# Altium PCB PDU-UV17.PcbDoc (part 2 of 2)
Units mm, origin at the board's own origin, x right, y up, seen from the top; angles counter-clockwise.
Board outline 130 x 100 mm, 4 copper layers (Top Layer, Internal Plane 1, Signal Layer 1, Bottom Layer), stack 1.7 mm thick; 126 components, 183 nets, 933 pads, 1005 vias.
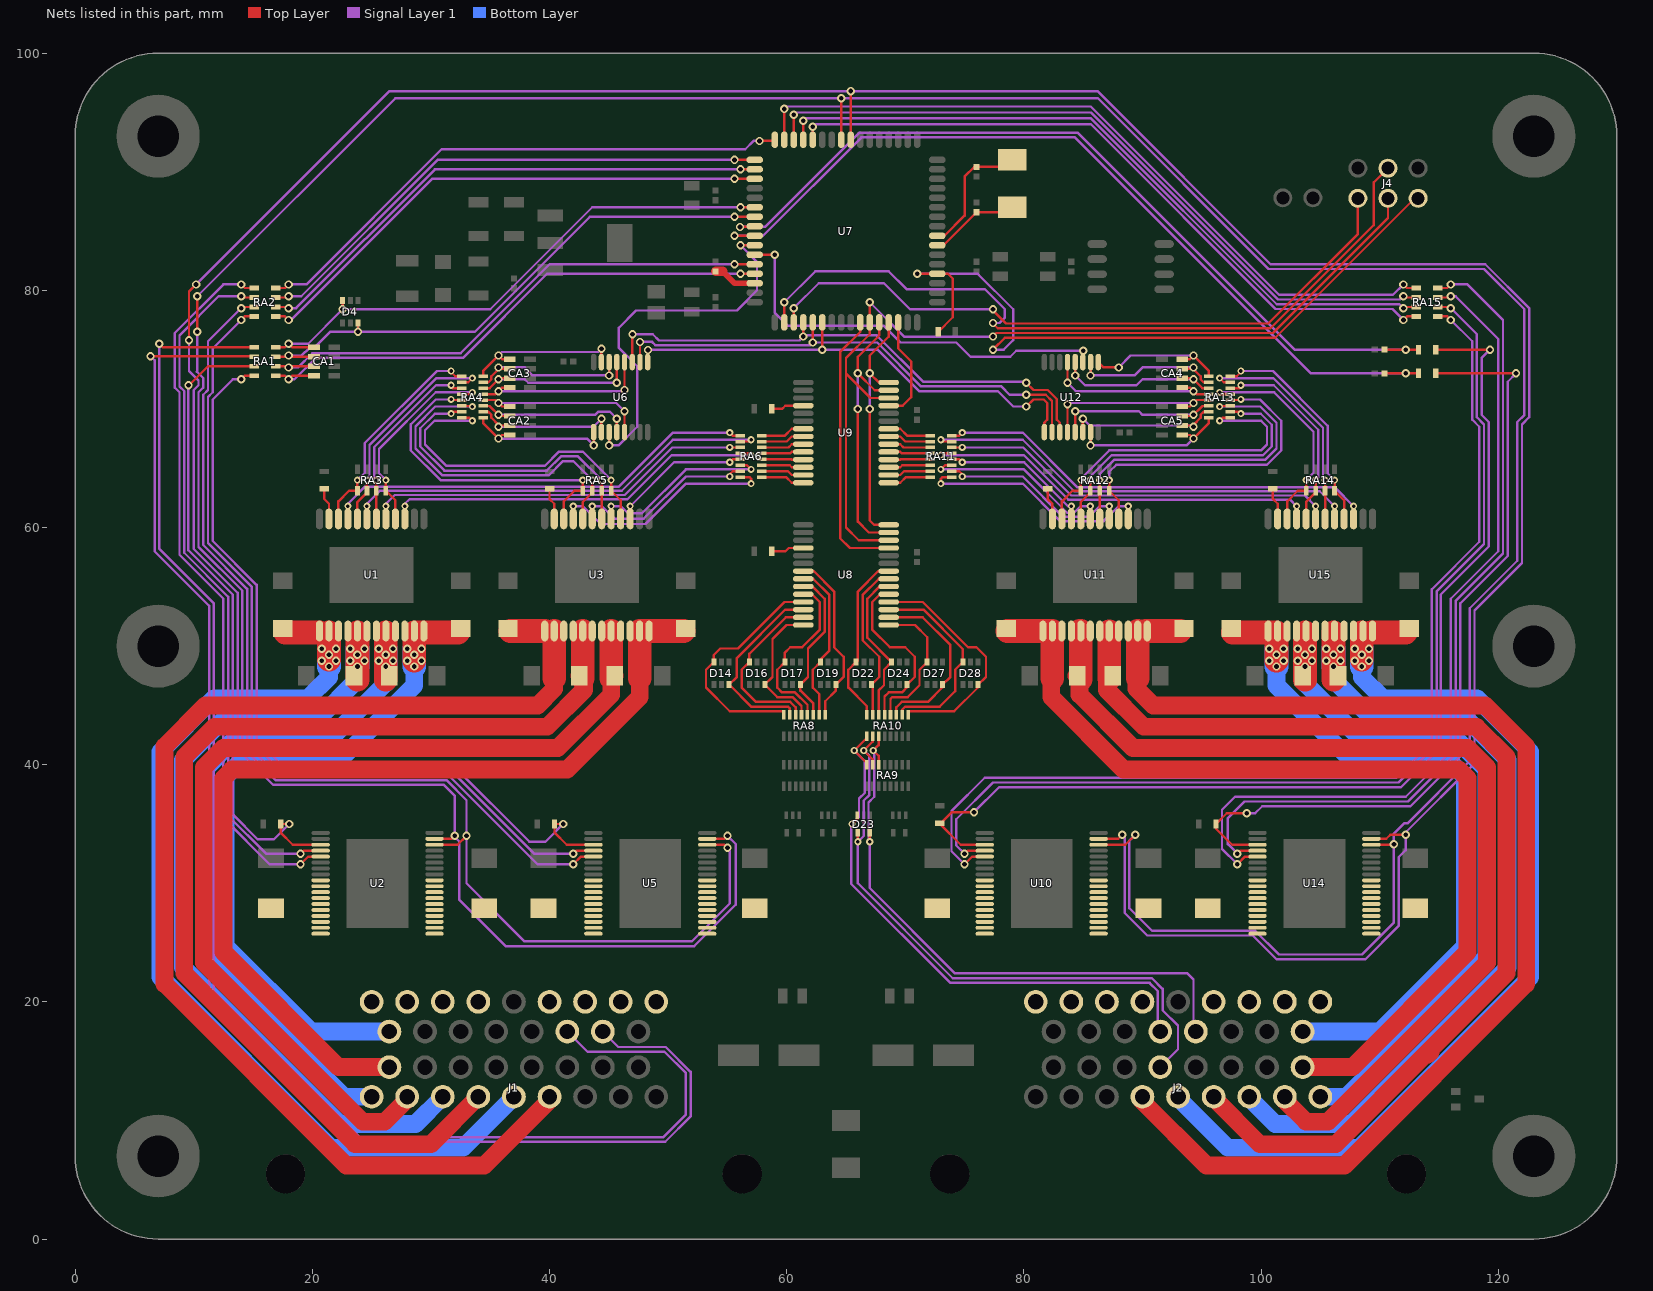
[diagram p4: the nets of this part, all layers, seen from the top]

## Via types
v1: diameter 0.8, hole 0.5, Top Layer to Bottom Layer, tented both sides, 400 vias
v2: diameter 0.7, hole 0.4, Top Layer to Bottom Layer, tented both sides, 313 vias
v3: diameter 0.6, hole 0.3, Top Layer to Bottom Layer, tented both sides, 196 vias
v4: diameter 0.6, hole 0.3, Top Layer to Bottom Layer, 96 vias

## Nets (pads, with @x,y where several pads share a name; then routed paths per layer and width w, separated by ;. In a path a pad name is that pad's centre, name@x,y a point inside that pad or via, vN(x,y) a via of type N, cw(c..) or ccw(c..) an arc to the next point about the centre after c; other vN are vias at no path point) (continued)
IN_14: D23.5 J2.14 RA9.6 RA10.11 | length 50.5
  Top Layer w0.2: v3(67,33.5) D23.5@67,34.25 ; RA9.6@67.75,40 67.75,40.75 v3(67.3,41.2) 67.75,41.65 RA10.11@67.75,42.4
  Signal Layer 1 w0.2: v3(67.3,41.2) 67.376,41.124 67.376,37.293 66.898,36.815 v3@66.898,33.602 ; J2.14@94.5,17.5 94.3,17.7 94.3,21.9 93.8,22.4 74.2,22.4 67,29.6 v3(67,33.5) ; v3@66.898,33.602 v3(67,33.5) ; v3@66.898,33.602 v3(67,33.5)
IN_15: D23.4 J2.21 RA9.7 RA10.10 | length 52.9
  Top Layer w0.2: v3(66,33.5) D23.4@66,34.25 ; RA9.7@67.25,40 67.25,40.45 v3(66.5,41.2) 67.25,41.95 RA10.10@67.25,42.4
  Signal Layer 1 w0.2: v3@66.102,33.602 v3(66,33.5) ; v3(66.5,41.2) 66.976,40.724 66.976,37.459 66.498,36.981 66.498,33.998 v3(66,33.5) ; J2.21@91.5,14.5 93,16 93,18 91.7,19.3 91.7,21.1 90.8,22 74,22 66,30 v3(66,33.5)
IN_16: D23.3 J2.13 RA9.8 RA10.9 | length 49.5
  Top Layer w0.2: v3(65.5,35) 65.95,35.45 D23.3@65.95,35.75 ; RA9.8@66.75,40 66.75,40.15 v3(65.7,41.2) 66.75,42.25 RA10.9@66.75,42.4
  Signal Layer 1 w0.2: v3@65.4,35.1 v3(65.5,35) ; v3(65.7,41.2) 66.576,40.324 66.576,37.624 66.098,37.146 66.098,35.598 v3(65.5,35) ; J2.13@91.5,17.5 91.3,17.7 91.3,20.9 90.6,21.6 73.8,21.6 65.448,29.952 65.448,34.948 v3(65.5,35)
IN_A_1: J1.15 RA1.5 | length 125.3
  Top Layer w0.2: v2(7.1,75.5) 7.402,75.198 15.098,75.198 RA1.5@15.1,75.2
  Signal Layer 1 w0.2: v2(7.1,75.5) 7.1,58.2 11.7,53.6 11.7,20.9 24,8.6 49.6,8.6 51.5,10.5 51.5,14 49.7,15.8 43.2,15.8 J1.15@41.5,17.5
IN_A_2: J1.16 RA1.6 | length 123.8
  Top Layer w0.2: v2(6.35,74.45) 15.05,74.45 RA1.6@15.1,74.4
  Signal Layer 1 w0.2: v2(6.35,74.45) 6.7,74.1 6.7,58 11.3,53.4 11.3,20.734 23.834,8.2 49.766,8.2 51.9,10.334 51.9,14.098 49.798,16.2 45.8,16.2 J1.16@44.5,17.5
IN_A_R_1: CA1.5 D4.3 RA1.4 U7.54 | length 48.4
  Top Layer w0.2: RA1.4@16.9,75.2 17.7,75.2 v2(18,75.5) 18.3,75.2 CA1.5@20.15,75.2 ; D4.3@22.5,79.1 D4.3@22.55,79.15 v2(22.55,78.4) ; v2(56.1,87) U7.54@57.3,87
  Signal Layer 1 w0.2: v2(18,75.5) 19.65,75.5 v2(22.55,78.4) 35,78.4 43.6,87 v2(56.1,87)
IN_A_R_2: CA1.6 D4.6 RA1.3 U7.55 | length 48.2
  Top Layer w0.2: RA1.3@16.9,74.4 17.9,74.4 v2(18,74.5) 18.1,74.4 CA1.6@20.15,74.4 ; v2(23.85,76.5) D4.6@23.85,77.25 ; v2(55.6,86.2) U7.55@57.3,86.2
  Signal Layer 1 w0.2: v2(18,74.5) 19.1,74.5 19.748,75.148 20.148,75.148 21.5,76.5 v2(23.85,76.5) 33.7,76.5 43.4,86.2 v2(55.6,86.2)
IN_R_1: D19.6 RA8.1 U8.21 | length 14.7
  Top Layer w0.2: U8.21@61.4,56.325 62.275,56.325 64,54.6 64,49.9 64.8,49.1 64.8,47.4 D19.6@64.15,46.75 64.15,46.25 63.25,45.35 RA8.1@63.25,44.2
IN_R_2: D19.3 RA8.2 U8.22 | length 13.7
  Top Layer w0.2: U8.22@61.4,55.675 62.225,55.675 63.6,54.3 63.6,49.616 62.85,48.866 D19.3@62.85,48.65 62.2,48 62.2,46.5 62.75,45.95 RA8.2@62.75,44.2
IN_R_3: D17.6 RA8.3 U8.23 | length 13.3
  Top Layer w0.2: U8.23@61.4,55.025 62.175,55.025 63.2,54 63.2,51.2 61.8,49.8 61.8,47.4 D17.6@61.15,46.75 61.15,46.25 62.25,45.15 RA8.3@62.25,44.2
IN_R_4: D17.3 RA8.4 U8.24 | length 15
  Top Layer w0.2: U8.24@61.4,54.375 62.125,54.375 62.8,53.7 62.8,51.4 61.3,49.9 60.3,49.9 59.85,49.45 D17.3@59.85,48.65 59.2,48 59.2,46.5 59.6,46.1 60.7,46.1 61.75,45.05 RA8.4@61.75,44.2
IN_R_5: D16.6 RA8.5 U8.28 | length 11.8
  Top Layer w0.2: RA8.5@61.25,44.2 61.25,44.95 60.5,45.7 59.2,45.7 D16.6@58.15,46.75 58.8,47.4 58.8,50.6 59.975,51.775 U8.28@61.4,51.775
IN_R_6: D16.3 RA8.6 U8.27 | length 14.8
  Top Layer w0.2: RA8.6@60.75,44.2 60.75,44.85 60.3,45.3 57.4,45.3 56.2,46.5 56.2,48 D16.3@56.85,48.65 56.85,49.35 59.925,52.425 U8.27@61.4,52.425
IN_R_7: D14.6 RA8.7 U8.26 | length 16.3
  Top Layer w0.2: RA8.7@60.25,44.2 60.25,44.75 60.1,44.9 57,44.9 D14.6@55.15,46.75 55.8,47.4 55.8,49 59.875,53.075 U8.26@61.4,53.075
IN_R_8: D14.3 RA8.8 U8.25 | length 20
  Top Layer w0.2: RA8.8@59.75,44.2 59.75,44.35 59.6,44.5 55.2,44.5 53.2,46.5 53.2,48 D14.3@53.85,48.65 53.85,49.25 54.4,49.8 55.9,49.8 59.825,53.725 U8.25@61.4,53.725
IN_R_9: D28.6 RA10.1 U8.4 | length 19.9
  Top Layer w0.2: U8.4@68.6,53.725 71.475,53.725 75.3,49.9 76,49.9 76.8,49.1 76.8,47.4 D28.6@76.15,46.75 76.15,46.534 74.116,44.5 70.4,44.5 70.25,44.35 RA10.1@70.25,44.2
IN_R_10: D28.3 RA10.2 U8.3 | length 17
  Top Layer w0.2: U8.3@68.6,53.075 71.525,53.075 74.85,49.75 D28.3@74.85,48.65 74.2,48 74.2,46.2 72.9,44.9 70,44.9 69.75,44.65 RA10.2@69.75,44.2
IN_R_11: D27.6 RA10.3 U8.2 | length 15.2
  Top Layer w0.2: U8.2@68.6,52.425 71.475,52.425 73.8,50.1 73.8,47.4 D27.6@73.15,46.75 73.15,46.534 71.916,45.3 69.7,45.3 69.25,44.85 RA10.3@69.25,44.2
IN_R_12: D27.3 RA10.4 U8.1 | length 12.3
  Top Layer w0.2: U8.1@68.6,51.775 70.825,51.775 71.85,50.75 D27.3@71.85,48.65 71.2,48 71.2,46.7 70.2,45.7 68.9,45.7 68.75,45.55 RA10.4@68.75,44.2
IN_R_13: D24.6 RA10.5 U8.5 | length 15.1
  Top Layer w0.2: RA10.5@68.25,44.2 68.25,45.75 68.6,46.1 69.716,46.1 70.15,46.534 D24.6@70.15,46.75 70.8,47.4 70.8,49.1 70,49.9 68.7,49.9 67.2,51.4 67.2,53.7 67.875,54.375 U8.5@68.6,54.375
IN_R_14: D24.3 RA10.6 U8.6 | length 13.3
  Top Layer w0.2: RA10.6@67.75,44.2 67.75,46.25 68.2,46.7 68.2,48 D24.3@68.85,48.65 66.8,50.7 66.8,54 67.825,55.025 U8.6@68.6,55.025
IN_R_15: D22.6 RA10.7 U8.7 | length 13.8
  Top Layer w0.2: RA10.7@67.25,44.2 67.25,46.65 D22.6@67.15,46.75 67.8,47.4 67.8,49.1 66.4,50.5 66.4,54.3 67.775,55.675 U8.7@68.6,55.675
IN_R_16: D22.3 RA10.8 U8.8 | length 14.7
  Top Layer w0.2: RA10.8@66.75,44.2 66.75,44.95 65.2,46.5 65.2,48 D22.3@65.85,48.65 66,48.8 66,54.6 67.725,56.325 U8.8@68.6,56.325
IS_5A_1: RA3.5 RA4.1 U1.10 | length 18.7
  Top Layer w0.2: U1.10@22.2,60.725 22.2,62.2 23.1,63.1 RA3.5@23.8,63.1 v3(23.8,64) ; v3(31.7,73.2) 31.7,73.1 32.05,72.75 RA4.1@32.6,72.75
  Signal Layer 1 w0.2: v3(23.8,64) 24.424,64.624 24.424,67.121 30.503,73.2 v3(31.7,73.2)
IS_5A_2: RA3.6 RA4.2 U1.8 | length 18.7
  Top Layer w0.2: U1.8@23.8,60.725 23.8,62.143 24.6,62.943 RA3.6@24.6,63.1 v3(24.6,64) ; RA4.2@32.6,72.25 33.15,72.25 v3(33.5,72.6)
  Signal Layer 1 w0.2: v3(24.6,64) 24.824,64.224 24.824,66.955 30.469,72.6 v3(33.5,72.6)
IS_5A_3: RA3.7 RA4.3 U1.6 | length 15.8
  Top Layer w0.2: U1.6@25.4,60.725 RA3.7@25.4,63.1 v3(25.4,64) ; v3(31.7,72) 31.7,71.9 31.85,71.75 RA4.3@32.6,71.75
  Signal Layer 1 w0.2: v3(25.4,64) 25.224,64.176 25.224,66.79 30.434,72 v3(31.7,72)
IS_5A_4: RA3.8 RA4.4 U1.4 | length 17.3
  Top Layer w0.2: v3(26.2,64) RA3.8@26.2,63.1 27,62.3 U1.4@27,60.725 ; RA4.4@32.6,71.25 33.35,71.25 v3(33.5,71.4)
  Signal Layer 1 w0.2: v3(26.2,64) 25.624,64.576 25.624,66.624 30.4,71.4 v3(33.5,71.4)
IS_5A_5: RA4.5 RA5.5 U3.10 | length 27.3
  Top Layer w0.2: v3(31.7,70.8) 31.75,70.75 RA4.5@32.6,70.75 ; U3.10@41.2,60.725 41.2,62.2 42.1,63.1 RA5.5@42.8,63.1 v3(42.8,64)
  Signal Layer 1 w0.2: v3(31.7,70.8) 30.403,70.8 28.3,68.697 28.3,66.503 30.803,64 v3(42.8,64)
IS_5A_6: RA4.6 RA5.6 U3.8 | length 28.9
  Top Layer w0.2: RA4.6@32.6,70.25 33.45,70.25 v3(33.5,70.2) ; U3.8@42.8,60.725 42.8,62.143 43.6,62.943 v3(43.6,64)
  Signal Layer 1 w0.2: v3(33.5,70.2) 30.369,70.2 28.7,68.531 28.7,66.669 30.969,64.4 39.931,64.4 41.131,65.6 42,65.6 v3(43.6,64)
IS_5A_7: RA4.7 RA5.7 U3.6 | length 26.3
  Top Layer w0.2: v3(31.7,69.6) 31.85,69.75 RA4.7@32.6,69.75 ; U3.6@44.4,60.725 RA5.7@44.4,63.1 v3(44.4,64)
  Signal Layer 1 w0.2: v3(31.7,69.6) 30.334,69.6 29.1,68.366 29.1,66.834 31.134,64.8 39.766,64.8 40.966,66 42.4,66 v3(44.4,64)
IS_5A_8: RA4.8 RA5.8 U3.4 | length 28.1
  Top Layer w0.2: RA4.8@32.6,69.25 33.25,69.25 v3(33.5,69) ; v3(45.2,64) RA5.8@45.2,63.1 46,62.3 U3.4@46,60.725
  Signal Layer 1 w0.2: v3(33.5,69) 30.3,69 29.5,68.2 29.5,67 31.3,65.2 39.6,65.2 40.8,66.4 42.8,66.4 v3(45.2,64)
IS_5A_9: RA12.5 RA13.1 U11.10 | length 28.1
  Top Layer w0.2: U11.10@83.2,60.725 83.2,62.2 84.1,63.1 RA12.5@84.8,63.1 v3(84.8,64) ; v3(96.5,69) 96.75,69.25 RA13.1@97.4,69.25
  Signal Layer 1 w0.2: v3(84.8,64) 84.8,64.1 87.2,66.5 100,66.5 100.5,67 100.5,68.5 100,69 v3(96.5,69)
IS_5A_10: RA12.6 RA13.2 U11.8 | length 26
  Top Layer w0.2: U11.8@84.8,60.725 84.8,62.143 85.6,62.943 v3(85.6,64) ; RA13.2@97.4,69.75 98.15,69.75 v3(98.3,69.6)
  Signal Layer 1 w0.2: v3(85.6,64) 85.6,64.302 87.398,66.1 100.166,66.1 100.9,66.834 100.9,68.666 99.966,69.6 v3(98.3,69.6)
IS_5A_11: RA12.7 RA13.3 U11.6 | length 28
  Top Layer w0.2: U11.6@86.4,60.725 RA12.7@86.4,63.1 v3(86.4,64) ; v3(96.5,70.2) 96.55,70.25 RA13.3@97.4,70.25
  Signal Layer 1 w0.2: v3(86.4,64) 86.4,64.5 87.6,65.7 100.331,65.7 101.3,66.669 101.3,68.831 99.931,70.2 v3(96.5,70.2)
IS_5A_12: RA12.8 RA13.4 U11.4 | length 27.1
  Top Layer w0.2: v3(87.2,64) RA12.8@87.2,63.1 88,62.3 U11.4@88,60.725 ; RA13.4@97.4,70.75 98.25,70.75 v3(98.3,70.8)
  Signal Layer 1 w0.2: v3(87.2,64) 87.2,64.7 87.8,65.3 100.497,65.3 101.7,66.503 101.7,68.997 99.897,70.8 v3(98.3,70.8)
IS_5A_13: RA13.5 RA14.5 U15.10 | length 18.9
  Top Layer w0.2: v3(96.5,71.4) 96.65,71.25 RA13.5@97.4,71.25 ; U15.10@102.2,60.725 102.2,62.2 103.1,63.1 RA14.5@103.8,63.1 v3(103.8,64)
  Signal Layer 1 w0.2: v3(96.5,71.4) 101.1,71.4 104.424,68.076 104.424,64.624 v3(103.8,64)
IS_5A_14: RA13.6 RA14.6 U15.8 | length 17.1
  Top Layer w0.2: RA13.6@97.4,71.75 98.15,71.75 98.3,71.9 v3(98.3,72) ; U15.8@103.8,60.725 103.8,62.143 104.6,62.943 v3(104.6,64)
  Signal Layer 1 w0.2: v3(98.3,72) 101.066,72 104.824,68.242 104.824,64.224 v3(104.6,64)
IS_5A_15: RA13.7 RA14.7 U15.6 | length 19.3
  Top Layer w0.2: v3(96.5,72.6) 96.85,72.25 RA13.7@97.4,72.25 ; U15.6@105.4,60.725 RA14.7@105.4,63.1 v3(105.4,64)
  Signal Layer 1 w0.2: v3(96.5,72.6) 101.031,72.6 105.224,68.407 105.224,64.176 v3(105.4,64)
IS_5A_16: RA13.8 RA14.8 U15.4 | length 18.8
  Top Layer w0.2: RA13.8@97.4,72.75 97.95,72.75 98.3,73.1 v3(98.3,73.2) ; v3(106.2,64) RA14.8@106.2,63.1 107,62.3 U15.4@107,60.725
  Signal Layer 1 w0.2: v3(98.3,73.2) 100.997,73.2 105.624,68.573 105.624,64.576 v3(106.2,64)
IS_5A_MUX1: U6.3 U7.58 | length 31.7
  Top Layer w0.2: v2(45.025,66.925) U6.3@45.025,68.05 ; v2(56.1,83.8) U7.58@57.3,83.8
  Signal Layer 1 w0.2: v2(45.025,66.925) 45.825,66.925 47.4,68.5 47.4,73.6 45.85,75.15 45.85,76.85 47.3,78.3 55.8,78.3 57.5,80 57.5,82.4 v2(56.1,83.8)
IS_5A_MUX2: U7.59 U12.3 | length 34.4
  Top Layer w0.2: U7.59@57.3,83 57.4,82.9 57.5,83 v2(59,83)
  Signal Layer 1 w0.2: v2(59,83) 59,78.1 60.1,77 68.2,77 69.6,75.6 74.3,75.6 75.502,74.398 78.848,74.398 79.35,74.9 v2(85,74.9)
IS_5A_R_1: CA3.5 RA4.16 U6.15 | length 13.4
  Top Layer w0.2: RA4.16@34.4,72.75 34.4,73.2 v2(35.7,74.5) 36,74.2 CA3.5@36.65,74.2 ; U6.15@44.375,73.95 v2(44.375,75.075)
  Signal Layer 1 w0.2: v2(35.7,74.5) 36,74.8 44.1,74.8 v2(44.375,75.075)
IS_5A_R_2: CA3.6 RA4.15 U6.14 | length 13.8
  Top Layer w0.2: RA4.15@34.4,72.25 34.85,72.25 35.098,72.498 35.098,72.749 35.7,73.351 v2(35.7,73.5) 35.8,73.4 CA3.6@36.65,73.4 ; v2(45.025,72.825) U6.14@45.025,73.95
  Signal Layer 1 w0.2: v2(35.7,73.5) 37.9,73.5 38.575,72.825 v2(45.025,72.825)
IS_5A_R_3: CA3.7 RA4.14 U6.13 | length 14.5
  Top Layer w0.2: RA4.14@34.4,71.75 34.95,71.75 v2(35.7,72.5) 35.8,72.6 CA3.7@36.65,72.6 ; v2(45.675,72.2) U6.13@45.675,73.95
  Signal Layer 1 w0.2: v2(35.7,72.5) 37.9,72.5 38.2,72.2 v2(45.675,72.2)
IS_5A_R_4: CA3.8 RA4.13 U6.12 | length 15.5
  Top Layer w0.2: RA4.13@34.4,71.25 35.45,71.25 v2(35.7,71.5) 36,71.8 CA3.8@36.65,71.8 ; v2(46.325,71.6) U6.12@46.325,73.95
  Signal Layer 1 w0.2: v2(35.7,71.5) 46.225,71.5 v2(46.325,71.6)
IS_5A_R_5: CA2.5 RA4.12 U6.5 | length 15.1
  Top Layer w0.2: RA4.12@34.4,70.75 35.45,70.75 v2(35.7,70.5) 36,70.2 CA2.5@36.65,70.2 ; U6.5@46.325,68.05 v2(46.325,69.8)
  Signal Layer 1 w0.2: v2(35.7,70.5) 45.625,70.5 v2(46.325,69.8)
IS_5A_R_6: CA2.6 RA4.11 U6.4 | length 14.2
  Top Layer w0.2: RA4.11@34.4,70.25 34.95,70.25 v2@35.8,69.4 ; v2(35.7,69.5) v2@35.8,69.4 ; CA2.6@36.65,69.4 v2@35.8,69.4 ; U6.4@45.675,68.05 v2(45.675,69.175)
  Signal Layer 1 w0.2: v2(35.7,69.5) 43.849,69.5 44.126,69.777 45.073,69.777 v2(45.675,69.175)
IS_5A_R_7: CA2.7 RA4.10 U6.2 | length 13.3
  Top Layer w0.2: RA4.10@34.4,69.75 34.85,69.75 35.098,69.502 35.098,69.251 35.7,68.649 v2(35.7,68.5) ; CA2.7@36.65,68.6 v2@35.8,68.6 ; U6.2@44.375,68.05 v2(44.375,69.175) ; v2(35.7,68.5) v2@35.8,68.6 ; v2(35.7,68.5) v2@35.8,68.6
  Signal Layer 1 w0.2: v2(35.7,68.5) 43.7,68.5 v2(44.375,69.175)
IS_5A_R_8: CA2.8 RA4.9 U6.1 | length 12.8
  Top Layer w0.2: RA4.9@34.4,69.25 34.4,68.8 v2(35.7,67.5) 36,67.8 CA2.8@36.65,67.8 ; v2(43.725,66.925) U6.1@43.725,68.05
  Signal Layer 1 w0.2: v2(35.7,67.5) 43.15,67.5 v2(43.725,66.925)
IS_5A_R_9: CA5.1 RA13.16 U12.15 | length 13.4
  Top Layer w0.2: v2(85.625,66.925) U12.15@85.625,68.05 ; CA5.1@93.35,67.8 94,67.8 v2(94.3,67.5) 95.6,68.8 RA13.16@95.6,69.25
  Signal Layer 1 w0.2: v2(85.625,66.925) 93.725,66.925 v2(94.3,67.5)
IS_5A_R_10: CA5.2 RA13.15 U12.14 | length 13.9
  Top Layer w0.2: U12.14@84.975,68.05 v2(84.975,69.175) ; CA5.2@93.35,68.6 v2@94.2,68.6 ; RA13.15@95.6,69.75 95.15,69.75 94.902,69.502 94.902,69.251 94.3,68.649 v2(94.3,68.5) ; v2@94.2,68.6 v2(94.3,68.5) ; v2@94.2,68.6 v2(94.3,68.5)
  Signal Layer 1 w0.2: v2(84.975,69.175) 85.548,68.602 94.198,68.602 v2(94.3,68.5)
IS_5A_R_11: CA5.3 RA13.14 U12.13 | length 14.6
  Top Layer w0.2: U12.13@84.325,68.05 v2(84.325,69.8) ; CA5.3@93.35,69.4 v2@94.2,69.4 ; v2(94.3,69.5) v2@94.2,69.4 ; RA13.14@95.6,70.25 95.05,70.25 v2@94.2,69.4
  Signal Layer 1 w0.2: v2(84.325,69.8) 89.7,69.8 90,69.5 v2(94.3,69.5)
IS_5A_R_12: CA5.4 RA13.13 U12.12 | length 15.5
  Top Layer w0.2: U12.12@83.675,68.05 v2(83.675,70.4) ; CA5.4@93.35,70.2 94,70.2 v2(94.3,70.5) 94.55,70.75 RA13.13@95.6,70.75
  Signal Layer 1 w0.2: v2(83.675,70.4) 83.775,70.5 v2(94.3,70.5)
IS_5A_R_13: CA4.5 RA13.12 U12.5 | length 15.1
  Top Layer w0.2: v2(83.675,72.2) U12.5@83.675,73.95 ; CA4.5@93.35,71.8 94,71.8 v2(94.3,71.5) 94.55,71.25 RA13.12@95.6,71.25
  Signal Layer 1 w0.2: v2(83.675,72.2) 84.375,71.5 v2(94.3,71.5)
IS_5A_R_14: CA4.6 RA13.11 U12.4 | length 14.3
  Top Layer w0.2: v2(84.325,72.825) U12.4@84.325,73.95 ; CA4.6@93.35,72.6 94.2,72.6 v2(94.3,72.5) 95.05,71.75 RA13.11@95.6,71.75
  Signal Layer 1 w0.2: v2(84.325,72.825) 85.15,72 89.5,72 90,72.5 v2(94.3,72.5)
IS_5A_R_15: CA4.7 RA13.10 U12.2 | length 13.1
  Top Layer w0.2: v2(85.625,72.825) U12.2@85.625,73.95 ; CA4.7@93.35,73.4 94.2,73.4 v2(94.3,73.5) 94.3,73.351 94.902,72.749 94.902,72.498 95.15,72.25 RA13.10@95.6,72.25
  Signal Layer 1 w0.2: v2(85.625,72.825) 89.325,72.825 90,73.5 v2(94.3,73.5)
IS_5A_R_16: CA4.8 RA13.9 U12.1 | length 12
  Top Layer w0.2: U12.1@86.275,73.95 86.725,73.5 v2(88,73.5) ; CA4.8@93.35,74.2 94,74.2 v2(94.3,74.5) 95.6,73.2 RA13.9@95.6,72.75
  Signal Layer 1 w0.2: v2(88,73.5) 89,74.5 v2(94.3,74.5)
IS_20A_12: R1.2 RA1.7 U2.21 | length 55.4
  Top Layer w0.2: v2(9.552,72.003) 9.603,72.003 11.2,73.6 RA1.7@15.1,73.6 ; v2(18.05,35) R1.2@17.325,35 17.325,34.275 18.35,33.25 U2.21@20.7,33.25
  Signal Layer 1 w0.2: v2(9.552,72.003) 9.552,58.08 13.3,54.331 13.3,35.8 15.4,33.7 16.75,33.7 v2(18.05,35)
IS_20A_34: R3.2 RA1.8 U5.21 | length 69.7
  Top Layer w0.2: v2(14,72.5) 14.3,72.8 RA1.8@15.1,72.8 ; v2(41.15,35) R3.2@40.425,35 40.425,34.275 41.45,33.25 U5.21@43.7,33.25
  Signal Layer 1 w0.2: v2(14,72.5) 13.3,72.5 11.6,70.8 11.6,58.86 15.3,55.16 15.3,42.1 17.5,39.9 31.9,39.9 38.3,33.5 39.65,33.5 v2(41.15,35)
IS_20A_56: R7.2 R13.1 U10.21 | length 89.7
  Top Layer w0.2: v2(75.8,36) 73.925,36 72.925,35 74.675,33.25 U10.21@76.7,33.25 ; R13.1@114.725,75 v2(119.3,75)
  Signal Layer 1 w0.2: v2(75.8,36) 77.9,38.1 111.8,38.1 115.152,41.452 115.152,54.352 119.2,58.4 119.2,68.9 118.598,69.502 118.598,74.298 v2(119.3,75)
IS_20A_78: R10.2 R12.1 U14.21 | length 68.4
  Top Layer w0.2: v2(98.8,35.9) 97.1,35.9 R10.2@96.2,35 96.2,34.6 97.55,33.25 U14.21@99.7,33.25 ; R12.1@114.725,73 v2(121.5,73)
  Signal Layer 1 w0.2: v2(98.8,35.9) 99.5,35.9 100.1,36.5 112.6,36.5 116.8,40.7 116.8,53.6 120.8,57.6 120.8,69.549 120.798,69.551 120.798,72.298 v2(121.5,73)
IS_20A_R_12: CA1.7 RA1.2 U7.60 | length 46.2
  Top Layer w0.2: RA1.2@16.9,73.6 17.9,73.6 v2(18,73.5) 18.1,73.6 CA1.7@20.15,73.6 ; v2(55.6,82.2) U7.60@57.3,82.2
  Signal Layer 1 w0.2: v2(18,73.5) 18.8,73.5 20,74.7 32.5,74.7 40,82.2 v2(55.6,82.2)
IS_20A_R_34: CA1.8 RA1.1 U7.61 | length 46.5
  Top Layer w0.2: RA1.1@16.9,72.8 17.7,72.8 v2(18,72.5) 18.3,72.8 CA1.8@20.15,72.8 ; v2(56.1,81.4) U7.61@57.3,81.4
  Signal Layer 1 w0.2: v2(18,72.5) 18.5,72.5 20.3,74.3 32.7,74.3 39.8,81.4 v2(56.1,81.4)
IS_20A_R_56: C25.2 R13.2 U7.56 | length 71.1
  Top Layer w0.2: v2(56.057,85.348) 57.248,85.348 U7.56@57.3,85.4 ; C25.2@110.41,75 v2(112.2,75) R13.2@113.275,75
  Signal Layer 1 w0.2: v2(56.057,85.348) 58.182,85.348 66.134,93.3 84.519,93.3 102.819,75 v2(112.2,75)
IS_20A_R_78: C24.2 R12.2 U7.57 | length 72.8
  Top Layer w0.2: v2(55.6,84.6) U7.57@57.3,84.6 ; C24.2@110.41,73 v2(112.2,73) R12.2@113.275,73
  Signal Layer 1 w0.2: v2(55.6,84.6) 58,84.6 66.3,92.9 84.3,92.9 104.2,73 v2(112.2,73)
IS_MUX_A: U6.11 U7.4 U12.11 | length 44.8
  Top Layer w0.2: U6.11@46.975,73.95 46.975,76.275 v2(47,76.3) ; v2(61.4,76.1) U7.4@61.4,77.3 ; v2(80.2,72.2) 80.8,71.6 82.006,71.6 82.775,70.831 82.775,69.1 83.025,68.85 U12.11@83.025,68.05
  Signal Layer 1 w0.2: v2(47,76.3) 48.7,76.3 49.225,75.775 61.075,75.775 v2(61.4,76.1) 61.502,76.202 67.598,76.202 71.5,72.3 80.1,72.3 v2(80.2,72.2)
IS_MUX_B: U6.10 U7.5 U12.10 | length 43
  Top Layer w0.2: U6.10@47.625,73.95 v2(47.625,75.65) ; v2(62.2,75.6) U7.5@62.2,77.3 ; v2(80.2,71.2) 81.841,71.2 82.375,70.666 U12.10@82.375,68.05
  Signal Layer 1 w0.2: v2(47.625,75.65) 48.65,75.65 48.925,75.375 61.975,75.375 v2(62.2,75.6) 62.202,75.602 67.632,75.602 71.334,71.9 78.1,71.9 78.8,71.2 v2(80.2,71.2)
IS_MUX_C: U6.9 U7.6 U12.9 | length 41.9
  Top Layer w0.2: U6.9@48.275,73.95 48.3,73.975 v2(48.3,74.975) ; v2(63,75) U7.6@63,77.3 ; v2(80.2,70.2) 80.8,70.8 81.675,70.8 81.975,70.5 81.975,69.1 81.725,68.85 U12.9@81.725,68.05
  Signal Layer 1 w0.2: v2(48.3,74.975) 62.975,74.975 v2(63,75) 67.669,75 71.169,71.5 77.8,71.5 79.1,70.2 v2(80.2,70.2)
ISP_MISO: J4.1 U7.3 | length 57.2
  Top Layer w0.2: U7.3@60.6,77.3 v2(60.6,78.5) ; v2(77.4,78.4) 77.4,78.3 78.5,77.2 100.6,77.2 108.16,84.76 J4.1@108.16,87.76
  Signal Layer 1 w0.2: v2(60.6,78.5) 62.7,80.6 68.2,80.6 70.4,78.4 v2(77.4,78.4)
ISP_MOSI: J4.4 U7.2 | length 65.8
  Top Layer w0.2: U7.2@59.8,77.3 v2(59.8,79) ; v2(77.4,77.25) 77.4,77.2 77.8,76.8 100.8,76.8 109.5,85.5 109.5,89.1 J4.4@110.7,90.3
  Signal Layer 1 w0.2: v2(59.8,79) 62.4,81.6 68.6,81.6 70.1,80.1 76.7,80.1 78.4,78.4 78.4,77.7 77.95,77.25 v2(77.4,77.25)
NetC9_2: C10.2 U7.62 | length 3.7
  Top Layer w0.5: 54.61,81.59 55.6,80.6 U7.62@57.3,80.6
  Top Layer w0.8: C10.2@54,81.59 54.61,81.59
NetC17_2: C18.2 U7.24 X1.2 | length 10.9
  Top Layer w0.2: U7.24@72.7,84.6 73.3,84.6 75,86.3 75,89.6 75.81,90.41 78.41,90.41 X1.2@79,91
NetC18_2: C17.2 U7.23 X1.1 | length 7.6
  Top Layer w0.2: U7.23@72.7,83.8 73.21,83.8 C17.2@76,86.59 78.59,86.59 X1.1@79,87
NetR2_2: R2.2 U1.11 | length 2.7
  Top Layer w0.2: R2.2@21,63.275 21,62.4 21.4,62 U1.11@21.4,60.725
NetR4_2: R4.2 U3.11 | length 2.7
  Top Layer w0.2: R4.2@40,63.275 40,62.4 40.4,62 U3.11@40.4,60.725
NetR5_2: R6.2 U9.18 | length 2.8
  Top Layer w0.2: R6.2@58.725,70 59.6,70 59.875,70.275 U9.18@61.4,70.275
NetR6_2: R5.2 U8.18 | length 2.8
  Top Layer w0.2: R5.2@58.725,58 59.9,58 60.175,58.275 U8.18@61.4,58.275
NetR9_2: R9.2 U11.11 | length 2.7
  Top Layer w0.2: R9.2@82,63.275 82,62.4 82.4,62 U11.11@82.4,60.725
NetR11_2: R11.2 U15.11 | length 2.7
  Top Layer w0.2: R11.2@101,63.275 101,62.4 101.4,62 U15.11@101.4,60.725
OUT_5A_1: D2.2 J1.30 U1.13 U1.14 U1.15 | length 80.9
  Top Layer w2: D2.2@17.71,51.15 U1.13@20.6,51.15 ; 21.4,48.875 U1.14@21.4,51.15
  Bottom Layer w1.5: v2(21.4,48.275) 21.4,47.375 19.623,45.598 11.698,45.598 7.2,41.1 7.2,22.1 21.6,7.7 32.7,7.7 J1.30@37,12
  Bottom Layer w2: v2(21.4,48.275) v2(21.4,49.275) 21.4,49.8
  other v2: 20.8,48.775 22,48.775 20.8,49.775 22,49.775
OUT_5A_2: D3.2 J1.28 U1.16 U1.17 U1.18 | length 69.9
  Top Layer w1.5: J1.28@31,11.912 J1.28@31,12
  Top Layer w2: D3.2@23.8,47.175 U1.17@23.8,51.15
  Bottom Layer w1.5: v2@23.9,48.09 23.9,47.275 20.425,43.8 12.5,43.8 9.1,40.4 9.1,22.9 22.3,9.7 28.7,9.7 J1.28@31,12
  Bottom Layer w2: v2(23.8,48.275) v2(23.8,49.275) 23.8,49.8